# Altium PCB 400389.PcbDoc (part 5 of 8)
Units mm, origin at the board's own origin, x right, y up, seen from the top; angles counter-clockwise.
Board outline 155 x 63.5 mm, 4 copper layers (Top Layer, Mid-Layer 1, Mid-Layer 2, Bottom Layer), stack 1.508 mm thick; 434 components, 324 nets, 2167 pads, 2226 vias.
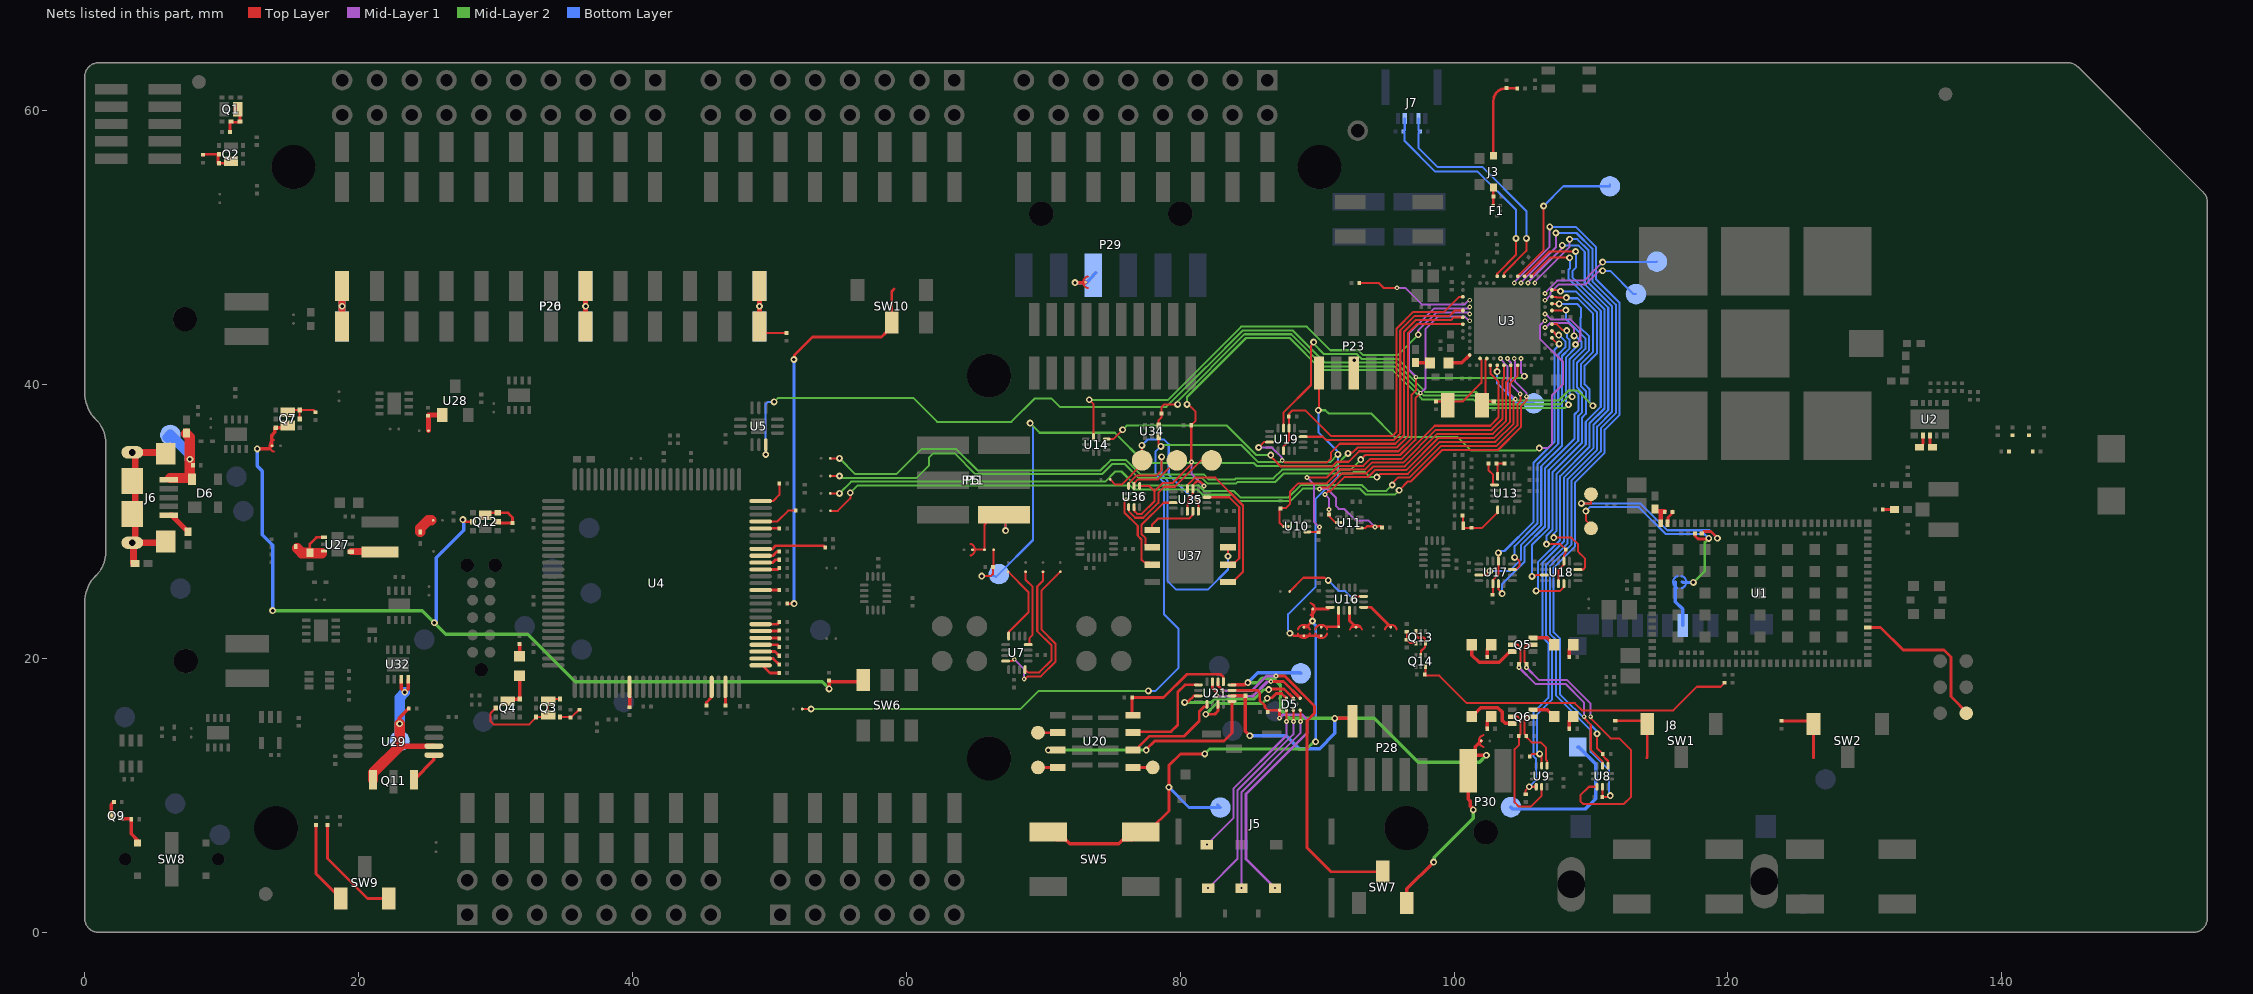
[diagram p7: the nets of this part, all layers, seen from the top]

## Via types
v1: diameter 0.5, hole 0.25, Top Layer to Bottom Layer, tented both sides, 1778 vias
v2: diameter 0.35, hole 0.15, Top Layer to Mid-Layer 1, tented both sides, 369 vias
v3: diameter 0.35, hole 0.15, Top Layer to Mid-Layer 1, tented top, 49 vias
v4: diameter 0.61, hole 0.305, Top Layer to Bottom Layer, tented both sides, 29 vias
v5: diameter 0.5, hole 0.25, Top Layer to Mid-Layer 1, tented both sides, 1 vias

## Nets (pads, with @x,y where several pads share a name; then routed paths per layer and width w, separated by ;. In a path a pad name is that pad's centre, name@x,y a point inside that pad or via, vN(x,y) a via of type N, cw(c..) or ccw(c..) an arc to the next point about the centre after c; other vN are vias at no path point) (continued)
NetC59_2: C59.2 D4.3 R62.1 U13.5 | length 3.9
  Top Layer w0.15: R62.1@100.615,30.429 100.655,30.389 D4.3@100.655,29.693 ; D4.3@100.66,29.535 C59.2@101.27,29.535 102.052,29.535 103.184,30.667 U13.5@103.184,30.855
NetC66_2: C66.2 U20.8 U21.1 | length 9.1
  Top Layer w0.203: U20.8@76.479,15.851 C66.2@76.479,17.146 ; C66.2@76.485,17.146 78.787,17.146 80.491,18.85 82.953,18.85 83.147,18.656 83.147,18.302 U21.1@83.15,18.299
NetC67_1: C67.1 D5.A4 J5.C1 U21.15 | length 22.4
  Top Layer w0.203: U21.15@83.775,17.674 85.628,17.674 85.801,17.501 85.801,16.942 86.183,16.56 86.183,16.427 86.379,16.231 86.379,16.216 87.261,16.216 87.249,16.204 v2(87.249,15.64)
  Mid-Layer 1 w0.203: v2(86.919,3.227) 84.806,5.34 84.806,10.113 89.281,14.588 89.281,15.513 88.9,15.894 87.503,15.894 v2(87.249,15.64)
NetC68_2: C68.2 P28.2 P30.1 SB41.2 SW7.1 TP33.1 U21.14 U21.16 | length 55.5
  Top Layer w0.254: U21.14@83.775,17.274 C68.2@84.76,17.274 84.76,14.681 v1(85.09,14.351) ; U21.16@83.775,18.074 84.708,18.074 84.871,18.237 v1(84.938,18.237) ; v1(91.288,15.621) 92.375,15.621 P28.2@92.583,15.413 ; SW7.1@96.55,2.15 96.553,2.153 96.553,3.182 v1(98.501,5.131) ; P30.1@101.03,11.8 101.03,12.421 101.537,12.928 101.537,13.549 101.832,13.845 SB41.2@101.988,14 ; P30.1@101.082,11.648 101.03,11.7 101.03,9.716 101.196,9.55 101.196,9.213 101.196,9.208 101.397,9.007 v1(101.397,8.941) ; P30.1@101.537,12.929 v1(102.362,12.929)
  Mid-Layer 2 w0.254: v1(84.938,18.237) 85.65,18.237 85.972,18.559 86.805,18.559 87.323,18.042 87.323,16.275 87.978,15.621 v1(91.288,15.621) 94.183,15.621 97.384,12.421 101.854,12.421 v1(102.362,12.929) ; v1(98.501,5.131) 98.541,5.171 98.541,5.475 101.397,8.331 v1(101.397,8.941)
  Bottom Layer w0.254: v1(84.938,18.237) 85.649,18.948 88.768,18.948 TP33.1@88.804,18.912 ; v1(85.09,14.351) 87.738,14.351 88.671,13.417 90.176,13.417 91.288,14.529 v1(91.288,15.621)
NetC69_2: C69.2 D6.4 FB4.1 J6.1 TP40.1 | length 7.4
  Top Layer w0.762: J6.1@6.232,33.178 7.673,33.178 v1(7.673,34.545) 7.673,36.155 FB4.1@7.404,36.425
  Bottom Layer w0.762: TP40.1@6.06,36.135 TP40.1@6.248,36.323 7.673,34.898 v1(7.673,34.545)
NetC75_2: C75.2 D10.1 U27.4 U27.6 | length 4.5
  Top Layer w0.203: C75.2@16.436,27.727 16.436,28.37 16.911,28.845 U27.4@17.478,28.845
  Top Layer w0.762: D10.1@15.513,28.061 15.847,27.727 ; C75.2@16.436,27.727 15.847,27.727 ; 17.323,27.694 15.847,27.694 15.847,27.727
NetC78_1: C78.1 SB32.1 U28.1 | length 2.2
  Top Layer w0.254: C78.1@25.093,37.711 C78.1@25.07,37.734 C78.1@25.116,37.779
  Top Layer w0.381: SB32.1@25.093,36.637 C78.1@25.093,37.711 ; C78.1@25.116,37.779 U28.1@26.101,37.779
NetC86_1: C86.1 C89.2 C90.2 L1.2
NetC87_2: C87.2 L4.2 | length 0.8
  Top Layer w0.203: C87.2@131.315,30.88 L4.2@132.155,30.88
NetCR1_2: CR1.2 F1.4 J3.1 | length 1.3
  Top Layer w0.19: F1.4@102.873,53.087 J3.1@102.873,54.391
NetD5_A1: D5.A1 J5.C2 | length 14.8
  Top Layer w0.15: v2(88.773,15.386) D5.A1@88.773,16.216
  Mid-Layer 1 w0.15: v2(84.479,3.227) 84.479,10.248 88.773,14.542 v2(88.773,15.386)
NetD5_A2: D5.A2 J5.C3 | length 15.6
  Top Layer w0.15: v2(88.265,15.386) D5.A2@88.265,16.216
  Mid-Layer 1 w0.15: v2(82.039,3.227) 84.179,5.367 84.179,10.372 88.265,14.458 v2(88.265,15.386)
NetD5_A3: D5.A3 J5.C7 | length 12.2
  Top Layer w0.15: v2(87.757,15.386) 87.761,15.39 D5.A3@87.761,16.216
  Mid-Layer 1 w0.15: v2(81.939,6.397) 83.879,8.337 83.879,10.496 87.759,14.376 v2@87.759,15.388
NetD5_C1: D5.C1 U21.3 | length 8.2
  Top Layer w0.203: U21.3@82.35,18.299 82.35,17.828 82.652,17.526 v2(82.652,17.297) ; v2(86.614,18.313) 87.539,18.313 D5.C1@88.761,17.091
  Mid-Layer 1 w0.203: v2(82.652,17.297) 82.68,17.269 82.783,17.269 82.805,17.247 85.306,17.247 86.357,18.298 v2@86.599,18.298 ; v2@86.599,18.313 v2(86.614,18.313)
NetD5_C2: D5.C2 U21.7 | length 9.9
  Top Layer w0.203: v1(80.315,16.789) 80.372,16.846 80.578,16.846 81.002,17.271 81.322,17.271 U21.7@81.325,17.274 ; v1(86.462,17.729) 86.503,17.771 87.578,17.771 88.258,17.091 D5.C2@88.261,17.091
  Mid-Layer 2 w0.203: v1(80.315,16.789) 82.264,16.789 82.506,17.031 85.408,17.031 86.095,17.718 86.411,17.718 v1@86.423,17.729 ; v1@86.423,17.749 86.442,17.749 v1(86.462,17.729)
NetD5_C3: D5.C3 U21.11 | length 8.1
  Top Layer w0.203: v1(81.864,15.926) 82.518,15.926 82.75,16.158 U21.11@82.75,16.649 ; v1(86.36,17.094) 86.397,17.131 86.702,17.131 87.013,17.443 87.409,17.443 87.756,17.096 D5.C3@87.761,17.096
  Mid-Layer 2 w0.203: v1(81.864,15.926) 82.642,16.703 85.969,16.703 v1(86.36,17.094)
NetD11_2: D11.2 SB39.2 | length 1.3
  Top Layer w0.762: D11.2@24.511,29.25 24.511,29.521 25.074,30.084 25.321,30.084
NetFB1_2: FB1.2 R1.1 U1.102 | length 1.7
  Top Layer w0.305: FB1.2@114.681,30.97 114.681,30.895 114.779,30.798 114.854,30.798 114.892,30.759 115.09,30.759 ; U1.102@115.09,29.884 115.09,30.759 ; R1.1@115.387,30.759 115.09,30.759
NetFB2_1: FB2.1 J6.5 | length 1.8
  Top Layer w0.381: J6.5@6.232,30.451 6.35,30.451 FB2.1@7.546,29.255
NetFB3_1: FB3.1 J6.6@3.468,28.451 J6.6@3.468,30.551 J6.6@3.468,32.951 J6.6@3.468,35.051 J6.6@5.918,28.551 J6.6@5.918,34.951 | length 13.1
  Top Layer w0.508: FB3.1@3.557,26.925 J6.6@3.557,28.451 ; J6.6@3.7,28.435 J6.6@3.684,28.451 ; J6.6@6.134,28.551 6.034,28.451 J6.6@3.684,28.451 ; J6.6@6.134,34.951 6.034,35.051 3.684,35.051 J6.6@3.684,28.451
NetJ8_3: J8.3 SB2.1 | length 3.4
  Bottom Layer w0.254: SB2.1@116.163,25.575 116.163,25.222 116.163,24.147 116.7,23.61 J8.3@116.7,22.42
NetJ8_10: J8.10 TP45.1 | length 10.9
  Bottom Layer w0.254: TP45.1@104.154,9.145 104.294,9.005 109.59,9.005 110.338,9.753 110.338,12.294 109.101,13.53 J8.10@109.04,13.53
NetL6_1: L6.1 U2.8 | length 0.9
  Top Layer w0.203: U2.8@134.747,36.277 134.747,35.625 L6.1@134.95,35.422
NetL6_2: L6.2 U2.7 | length 1
  Top Layer w0.203: L6.2@134,35.422 134.247,35.669 U2.7@134.247,36.277
NetL8_2: L8.2 L9.1 | length 1
  Top Layer w0.254: L8.2@97.203,41.588 L9.1@98.244,41.588
NetL9_2: L9.2 U3.B3 | length 1.8
  Top Layer w0.254: L9.2@99.594,41.588 100.571,41.588 U3.B3@101.144,42.161
NetL12_1: L12.1 U27.1 | length 2.1
  Top Layer w0.508: U27.1@19.428,27.795 21.543,27.795 L12.1@21.559,27.778
NetLED1_1: LED1.1 Q5.3 | length 4.2
  Top Layer w0.254: LED1.1@101.302,21 101.302,20.241 101.827,19.716 103.304,19.716 104.039,20.452 104.202,20.452 Q5.3@104.25,20.5
NetLED1_2: LED1.2 R73.1 | length 1
  Top Layer w0.254: R73.1@102.414,20.118 102.414,20.69 102.699,20.975 LED1.2@102.699,21
NetLED2_1: LED2.1 Q5.6 | length 1.8
  Top Layer w0.254: Q5.6@105.75,21.5 106.802,21.5 107.022,21.279 107.048,21.279 107.302,21.025 LED2.1@107.302,21
NetLED2_2: LED2.2 R74.1 | length 1
  Top Layer w0.254: R74.1@108.414,20.118 108.414,20.69 108.699,20.975 LED2.2@108.699,21
NetLED3_1: LED3.1 Q6.3 | length 4.1
  Top Layer w0.254: LED3.1@101.302,15.75 101.302,15.775 101.556,16.029 101.581,16.029 101.96,16.408 103.192,16.408 103.5,16.1 103.5,15.5 103.735,15.265 104.235,15.265 Q6.3@104.25,15.25
NetLED3_2: LED3.2 R75.1 | length 1
  Top Layer w0.254: R75.1@102.414,14.868 102.414,15.44 102.699,15.725 LED3.2@102.699,15.75
NetLED4_1: LED4.1 Q6.6 | length 1.4
  Top Layer w0.254: Q6.6@105.75,16.25 106.802,16.25 LED4.1@107.022,16.029
NetLED4_2: LED4.2 R76.1 | length 1
  Top Layer w0.254: R76.1@108.414,14.868 108.414,15.44 108.699,15.725 LED4.2@108.699,15.75
NetLED5_1: LED5.1 Q4.6 | length 2.7
  Top Layer w0.254: Q4.6@30.886,16.873 31.046,17.033 Q4.6@31.761,17.033 31.75,17.044 LED5.1@31.75,18.752
NetLED5_2: LED5.2 R18.1 | length 0.9
  Top Layer w0.254: LED5.2@31.75,20.149 R18.1@31.75,21.051
NetP5_6: P5.6 P11.6 SB26.1 SB27.2 | length 6.9
  Top Layer w0.15: SB27.2@64.854,27.941 65.003,27.941 SB26.1@65.702,27.941 65.702,29.761 66.422,30.481 P5.6@67.12,30.481 67.252,30.349 v1(67.252,29.338)
  Bottom Layer w0.15: v1(67.252,29.338) 67.252,30.011 P11.6@67.722,30.481
NetP20_1: P20.1 P26.1 | length 5.9
  Top Layer w0.508: P20.1@18.796,44.256 P20.1@18.796,47.186
  Bottom Layer w0.508: P26.1@18.796,44.256 P26.1@18.796,47.186
  other v1: 18.796,45.721
NetP20_8: P20.8 P26.8 | length 5.9
  Top Layer w0.381: P20.8@36.576,44.256 v1(36.576,45.721) P20.8@36.576,47.186
  Bottom Layer w0.381: P26.8@36.576,44.256 v1(36.576,45.721) P26.8@36.576,47.186
NetP20_13: P20.13 P26.13 R84.2 | length 8
  Top Layer w0.152: P20.13@49.276,44.256 49.276,44.204 49.71,43.77 R84.2@51.232,43.77
  Top Layer w0.381: P20.13@49.276,44.256 v1(49.276,45.721) P20.13@49.276,47.186
  Bottom Layer w0.381: P26.13@49.276,44.256 v1(49.276,45.721) P26.13@49.276,47.186
NetP29_3: P29.3 SB28.2 | length 2.6
  Top Layer w0.254: v1(72.314,47.447) 72.92,47.447 73.068,47.447 SB28.2@73.094,47.473
  Bottom Layer w0.254: v1(72.314,47.447) 73.152,47.447 73.66,47.955 P29.3@73.66,47.981 P29.3@73.838,48.158
NetQ1_5: Q1.5 Q1.6 R15.2 | length 2.4
  Top Layer w0.203: R15.2@10.597,58.446 10.597,59.073 10.677,59.152 11.327,59.152 11.327,59.922 Q1.6@11.152,60.097
NetQ2_5: Q2.5 Q2.6 R16.1 | length 2.8
  Top Layer w0.203: R16.1@8.626,56.739 8.707,56.821 9.727,56.821 Q2.6@9.727,56.171 ; Q2.6@9.732,56.171 10.502,56.171 Q2.6@10.677,56.346
NetQ3_3: Q3.3 Q3.6 Q4.2 | length 7.9
  Top Layer w0.15: Q4.2@30.011,16.383 29.641,16.013 29.641,15.393 29.845,15.189 32.461,15.189 32.965,15.693 Q3.3@32.965,15.733 33.68,15.733 Q3.3@33.84,15.893 Q3.6@33.84,16.873 34,17.033 Q3.6@34.715,17.033 ; Q3.3@33.832,15.635 Q3.3@33.992,15.795
NetQ3_4: Q3.4 R17.2 R20.2 | length 1.6
  Top Layer w0.152: Q3.4@34.715,15.733 35.562,15.733 36.091,16.262 R20.2@36.119,16.262
NetQ5_2: Q5.2 R78.2 U8.9 | length 13.3
  Top Layer w0.15: v2(104.741,19.338) R78.2@104.741,19.6 ; R78.2@104.741,19.615 104.851,19.725 104.851,20.25 ; v2@109.525,15.75 109.525,15.621 109.982,15.164 109.982,13.335 110.828,12.489 110.828,12.182 U8.9@110.842,12.168
  Top Layer w0.152: Q5.2@104.349,20.901 Q5.2@104.25,21 104.655,21 104.851,20.803 104.851,20.25
  Mid-Layer 1 w0.15: v2(104.741,19.338) 105.94,18.139 108.136,18.139 109.5,16.775 v2(109.5,15.75)
NetQ5_5: Q5.5 R77.2 U8.3 | length 22.3
  Top Layer w0.152: v2(105.289,19.335) R77.2@105.289,19.6 105.289,19.615 105.149,19.755 105.149,20.803 105.345,21 Q5.5@105.75,21 ; v2(109.975,15.75) 109.975,15.628 111.438,14.165 112.073,14.165 112.928,13.31 112.928,9.906 112.396,9.374 109.422,9.374 109.225,9.571 109.225,10.002 109.853,10.63 U8.3@110.442,10.63
  Mid-Layer 1 w0.152: v2(105.289,19.335) 106.209,18.415 108.251,18.415 109.975,16.691 v2(109.975,15.75)
NetQ6_2: Q6.2 R80.2 U9.9 | length 10.1
  Top Layer w0.152: Q6.2@104.349,15.651 Q6.2@104.25,15.75 104.655,15.75 104.851,15.553 104.851,14.486 104.73,14.365 R80.2@104.73,14.35 104.73,13.671 104.426,13.367 104.426,9.493 104.744,9.175 105.6,9.175 106.398,9.973 U9.9@106.398,10.63
NetQ6_5: Q6.5 R79.2 U9.3 | length 5.1
  Top Layer w0.152: Q6.5@105.75,15.75 105.345,15.75 105.149,15.553 105.149,14.494 105.278,14.365 R79.2@105.278,14.35 105.336,14.291 105.336,14.196 105.664,13.868 106.336,13.868 106.717,13.487 106.717,12.594 106.798,12.514 U9.3@106.798,12.168
NetQ7_3: Q7.3 Q12.2 R87.2 SB25.2 SW6.3 | length 71.2
  Top Layer w0.203: v1(27.613,30.137) 27.765,29.984 Q12.2@28.303,29.984
  Top Layer w0.254: v1(12.598,35.306) 13.442,35.306 13.522,35.386 SB25.2@13.67,35.535 13.67,35.888 13.67,36.313 13.876,36.518 13.876,36.841 Q7.3@13.946,36.841 14.646,36.841 Q7.3@14.821,37.016 ; v1(54.356,17.781) R87.2@54.356,18.385 54.452,18.289 56.712,18.289 SW6.3@56.861,18.438
  Mid-Layer 2 w0.254: v1(13.716,23.496) 24.637,23.496 v1(25.527,22.606) 26.365,21.768 32.335,21.768 35.814,18.289 53.848,18.289 v1(54.356,17.781)
  Bottom Layer w0.254: v1@12.6,35.306 12.6,34.054 12.965,33.689 12.965,29.023 13.716,28.272 v1(13.716,23.496) ; v1(25.527,22.606) 25.662,22.741 25.662,27.365 27.663,29.366 v1@27.663,30.061
NetQ7_5: Q7.5 Q7.6 R88.2 | length 2.8
  Top Layer w0.15: Q7.6@14.821,37.966 14.996,38.141 Q7.6@15.766,38.141 ; Q7.5@15.696,37.491 Q7.6@15.696,38.141 ; Q7.6@15.771,38.141 16.7,38.141 R88.2@16.853,37.988
NetQ9_1: Q9.1 R98.2 SW8.4 | length 2.5
  Top Layer w0.254: Q9.1@2.636,8.285 3.369,8.285 R98.2@3.398,8.256 3.398,7.187 SW8.4@3.85,6.735
NetQ9_3: Q9.3 R99.1 | length 1.1
  Top Layer w0.254: Q9.3@1.936,8.51 1.936,9.334 R99.1@2.128,9.526
NetQ11_1: Q11.1 U29.1 | length 2.4
  Top Layer w0.254: Q11.1@24.048,11.146 25.498,12.596 U29.1@25.498,12.943
NetQ11_3: Q11.3 R102.2 TP54.1 U29.2 U32.7 U32.8 | length 14.7
  Top Layer w0.254: v1(22.987,15.235) 22.981,15.241 22.981,15.672 R102.2@23.667,16.358 ; U32.7@23.11,18.484 23.11,17.785 v1(23.368,17.527) 23.61,17.769 U32.8@23.61,18.484
  Top Layer w0.381: 22.987,13.593 U29.2@25.498,13.593
  Top Layer w0.762: Q11.3@21.048,11.146 21.048,11.654 22.987,13.593 v1(22.987,15.235)
  Bottom Layer w0.762: TP54.1@22.987,13.965 v1(22.987,15.235) 22.987,15.997 22.987,17.146 v1(23.368,17.527)
NetQ12_5: Q12.5 Q12.6 R104.2 | length 3.7
  Top Layer w0.203: Q12.6@29.248,30.459 29.423,30.634 30.91,30.634 31.243,30.301 R104.2@31.243,29.888 30.294,29.888 Q12.5@30.198,29.984
NetQ13_3: Q13.3 Q13.6 Q14.2 | length 2.4
  Top Layer w0.15: Q13.3@97.211,21.964 97.236,21.939 97.236,21.602 97.324,21.514 97.799,21.514 97.873,21.439 97.873,21.404 97.886,21.391 97.886,21.139 Q13.6@97.911,21.114 97.886,21.089 97.886,20.85 97.873,20.837 97.873,20.829 97.586,20.542 97.586,20.262 Q14.2@97.561,20.237
NetQ13_4: Q13.4 R106.2 R107.2 | length 1.4
  Top Layer w0.15: R107.2@96.545,21.94 R106.2@96.545,21.367 96.56,21.367 96.62,21.307 96.62,21.292 96.798,21.114 Q13.4@97.211,21.114
NetR1_2: R1.2 U1.101 | length 1.1
  Top Layer w0.203: U1.101@115.542,29.806 U1.101@115.62,29.884 ; U1.101@115.59,29.884 115.632,29.925 115.632,30.288 115.923,30.579 115.923,30.726 R1.2@115.957,30.759
NetR12_1: R12.1 SW10.2 | length 29.5
  Top Layer w0.203: R12.1@51.292,24.001 v1(51.8,24.001) ; v1(51.791,41.834) 51.836,41.879 51.836,42.167 53.154,43.485 58.191,43.485 58.528,43.822 58.53,43.822 58.928,44.22 SW10.2@58.928,44.52 58.928,46.812 59.106,46.99
  Bottom Layer w0.203: v1(51.791,41.834) 51.791,24.011 v1(51.8,24.001)
NetR21_1: R21.1 U4.59 | length 1.4
  Top Layer w0.254: R21.1@39.783,16.435 U4.59@39.783,17.801
NetR24_1: R24.1 U4.71 | length 1.4
  Top Layer w0.203: R24.1@45.402,16.562 45.402,16.797 45.783,17.178 U4.71@45.783,17.801
NetR26_1: R26.1 U4.73 | length 1.2
  Top Layer w0.203: R26.1@46.783,16.562 U4.73@46.783,17.801
NetR27_1: R27.1 U4.76 | length 1.5
  Top Layer w0.203: U4.76@49.483,19.501 50.051,18.933 R27.1@50.713,18.933
NetR28_1: R28.1 U4.77 | length 1.4
  Top Layer w0.203: U4.77@49.483,20.001 50.271,20.001 R28.1@50.713,19.559
NetR29_1: R29.1 U4.78 | length 1.4
  Top Layer w0.203: U4.78@49.483,20.501 50.406,20.501 R29.1@50.713,20.194
NetR30_1: R30.1 U4.79 | length 1.3
  Top Layer w0.203: U4.79@49.483,21.001 50.57,21.001 R30.1@50.722,20.849
NetR31_1: R31.1 U4.80 | length 1.3
  Top Layer w0.203: U4.80@49.483,21.501 50.671,21.501 R31.1@50.722,21.45
NetR32_1: R32.1 U4.81 | length 1.3
  Top Layer w0.203: U4.81@49.483,22.001 50.671,22.001 R32.1@50.722,22.052
NetR33_1: R33.1 U4.82 | length 1.3
  Top Layer w0.203: U4.82@49.483,22.501 50.57,22.501 R33.1@50.722,22.653
NetR34_1: R34.1 U4.87 | length 1.2
  Top Layer w0.203: U4.87@49.483,25.001 R34.1@50.722,25.001
NetR35_1: R35.1 U4.90 | length 1.3
  Top Layer w0.203: U4.90@49.483,26.501 50.62,26.501 R35.1@50.722,26.603
NetR36_1: R36.1 U4.91 | length 1.3
  Top Layer w0.203: U4.91@49.483,27.001 50.241,27.001 50.444,27.204 R36.1@50.722,27.204
NetR37_1: R37.1 U4.92 | length 1.4
  Top Layer w0.203: U4.92@49.483,27.501 50.259,27.501 50.563,27.806 R37.1@50.722,27.806
NetR38_1: R38.1 U4.93 | length 4.7
  Top Layer w0.203: U4.93@49.483,28.001 50.219,28.001 50.451,28.233 53.945,28.233 R38.1@54.072,28.106
NetR40_1: R40.1 U4.96 | length 1.2
  Top Layer w0.203: U4.96@49.483,29.501 R40.1@50.722,29.501
NetR41_1: R41.1 U4.97 | length 2.8
  Top Layer w0.15: U4.97@49.483,30.001 50.57,30.001 51.365,30.795 R41.1@51.912,30.795
NetR43_1: R43.1 U4.100 | length 2.4
  Top Layer w0.15: U4.100@49.358,31.501 50.272,31.501 50.722,31.951 R43.1@50.722,32.771
NetR66_1: R66.1 U13.1 | length 1.7
  Top Layer w0.15: R66.1@102.514,34.234 102.514,33.757 102.854,33.417 102.854,32.785 U13.1@102.959,32.68
NetR67_1: R67.1 R68.2 U13.16 | length 1.5
  Top Layer w0.15: U13.16@103.184,33.305 103.184,34.148 R67.1@103.099,34.234 R68.2@103.683,34.234
NetR81_2: R81.2 SW1.3 | length 4.9
  Top Layer w0.203: R81.2@111.769,15.444 113.856,15.444 SW1.3@114.1,15.2 114.1,12.779 114.071,12.751
NetR82_2: R82.2 SW2.3 | length 5
  Top Layer w0.203: R82.2@123.906,15.442 126.246,15.442 SW2.3@126.246,15.2 126.246,12.754
NetR95_2: R95.2 SW9.1 | length 8.1
  Top Layer w0.203: R95.2@17.729,7.859 R95.2@17.729,7.844 17.729,5.386 20.641,2.474 SW9.1@22.192,2.474
NetR96_2: R96.2 SW9.3 | length 6.1
  Top Layer w0.203: R96.2@16.891,7.859 R96.2@16.891,7.844 16.891,4.275 SW9.3@18.692,2.474
NetSB2_2: SB2.2 TP9.1 U1.125 | length 17.3
  Top Layer w0.15: v1(109.622,30.757) 109.622,30.096 110.109,29.609 TP9.1@110,29.5
  Top Layer w0.203: U1.125@117.59,29.114 117.59,28.956 117.829,28.717 118.543,28.717 v1(118.593,28.767)
  Mid-Layer 2 w0.203: v1(117.475,25.55) 118.313,26.388 118.313,28.487 v1(118.593,28.767)
  Bottom Layer w0.15: v1(109.622,30.757) 109.915,31.05 113.494,31.05 115.456,29.087 118.272,29.087 v1(118.593,28.767)
  Bottom Layer w0.203: 116.65,25.6 116.7,25.55 116.961,25.55 v1(117.475,25.55)
NetSB11_2: SB11.2 U7.16 | length 9.4
  Top Layer w0.15: U7.16@68.672,19.184 68.875,18.981 69.704,18.981 70.596,19.873 70.596,20.96 69.559,21.997 69.559,25.252 69.977,25.67 SB11.2@69.977,26.332
NetSB12_2: SB12.2 U7.4 | length 5.7
  Top Layer w0.15: SB12.2@68.707,26.332 68.707,25.73 69.215,25.222 69.215,21.717 69.002,21.504 69.002,21.114 U7.4@68.897,21.009
NetSB13_2: SB13.2 U7.8 | length 5.9
  Top Layer w0.15: SB13.2@67.437,26.332 68.92,24.849 68.92,23.378 67.472,21.93 U7.8@67.472,21.634
NetSB14_2: SB14.2 U7.12 | length 12.8
  Top Layer w0.15: U7.12@67.247,19.809 67.755,19.809 v2(67.882,19.936) ; v2(68.605,18.491) 68.661,18.491 68.856,18.686 69.827,18.686 70.891,19.75 70.891,21.082 69.854,22.119 69.854,24.939 SB14.2@71.247,26.332
  Mid-Layer 1 w0.15: v2(67.882,19.936) 68.605,19.212 v2(68.605,18.491)
NetSB15_1: SB15.1 SB21.2 U16.1 | length 2.3
  Top Layer w0.203: SB21.2@90.297,22.283 90.425,22.411 ; 90.629,22.309 SB15.1@91.567,22.309 91.567,23.512 U16.1@91.568,23.513
NetSB16_1: SB16.1 SB22.1 SW5.2 TP32.1 U16.16 | length 40.7
  Top Layer w0.15: SW5.2@78.105,6.995 SW5.2@78.127,6.973
  Top Layer w0.203: SW5.2@77.876,7.569 79.172,8.865 v1(79.172,10.592) 79.172,12.217 79.197,12.217 80.01,13.03 v1(81.788,13.03) ; SB22.1@89.027,22.283 89.212,22.283 89.296,22.367 v1(89.662,22.733) 89.67,22.741 89.67,23.258 SB16.1@89.67,23.611 89.844,23.611 90.816,23.611 U16.16@90.943,23.738
  Top Layer w0.254: SW5.2@70.361,7.334 70.934,6.761 71.623,6.761 71.92,6.465 75.502,6.465 75.798,6.761 76.538,6.761 SW5.2@77.111,7.334
  Mid-Layer 2 w0.203: v1(81.788,13.03) 82.146,13.388 89.232,13.388 89.764,13.919 v1(89.891,13.919)
  Bottom Layer w0.203: v1(79.172,10.592) 80.653,9.111 TP32.1@82.931,9.111 TP32.1@82.72,9.322 ; v1(89.662,22.733) 89.662,22.653 89.891,22.424 v1(89.891,13.919)
NetSB18_1: SB18.1 U16.5 | length 2.6
  Top Layer w0.203: U16.5@93.393,23.738 93.922,23.738 SB18.1@95.377,22.283
NetSB19_1: SB19.1 U16.3 | length 1.9
  Top Layer w0.203: U16.3@92.368,23.513 92.368,22.752 SB19.1@92.794,22.327 ; 92.591,22.327 SB19.1@92.794,22.327 ; SB19.1@92.837,22.283 SB19.1@92.794,22.327 ; 93.116,22.327 SB19.1@92.794,22.327
NetSB20_1: SB20.1 U16.7 | length 6.6
  Top Layer w0.15: SB20.1@87.993,24.892 88.994,25.892 90.542,25.892 90.73,25.705 v1(90.805,25.705) ; v1(92.659,24.308) 92.89,24.538 U16.7@93.393,24.538
  Bottom Layer w0.15: v1(90.805,25.705) 91.592,24.917 92.05,24.917 v1(92.659,24.308)
NetSB23_2: SB23.2 TP57.1 U35.12 | length 12.7
  Top Layer w0.152: SB23.2@74.885,33.076 75.266,32.695 75.719,32.695 77.197,34.174 v1(77.197,35.563) ; v1(81.236,31.703) 81.321,31.618 U35.12@81.321,30.747
  Bottom Layer w0.152: v1(77.197,35.563) 77.613,35.978 78.825,35.978 79.159,35.644 79.159,33.424 80.881,31.703 v1(81.236,31.703)
NetSW7_2: SW7.2 U21.2 | length 25.7
  Top Layer w0.203: U21.2@82.75,18.299 82.753,18.296 82.753,18.005 v2(83.109,17.649) ; v2(87,18.715) 87.634,18.715 89.814,16.535 89.814,16.002 89.256,15.443 89.256,6.172 91.008,4.42 SW7.2@94.742,4.42
  Mid-Layer 1 w0.203: v2(83.109,17.649) 85.243,17.649 86.309,18.715 v2(87,18.715)
NetTP4_1: TP4.1 U1.57 | length 11.6
  Top Layer w0.203: U1.57@130.21,22.264 131.146,22.264 132.803,20.608 135.774,20.608 136.28,20.101 136.28,17.22 TP4.1@137.5,16
NetTP8_1: TP8.1 U1.124 | length 13.8
  Top Layer w0.15: v1(109.301,31.325) 109.961,31.325 110,31.285 TP8.1@110,32
  Top Layer w0.203: U1.124@118.09,29.114 118.24,29.263 118.77,29.263 119.228,28.806 v1(119.228,28.778)
  Mid-Layer 2 w0.15: v1@119.228,28.765 v1(119.228,28.778)
  Bottom Layer w0.15: v1(109.301,31.325) 113.608,31.325 115.57,29.362 118.643,29.362 v1(119.228,28.778)
NetTP34_1: TP34.1 U20.2 | length 1.5
  Top Layer w0.203: TP34.1@69.613,14.581 U20.2@71.129,14.581
NetTP35_1: TP35.1 U20.4 | length 1.5
  Top Layer w0.203: TP35.1@69.613,12.041 U20.4@71.129,12.041
NetTP36_1: TP36.1 U20.5 | length 1.5
  Top Layer w0.203: U20.5@76.479,12.041 TP36.1@77.995,12.041
NetTP55_1: TP55.1 U36.3 | length 8.6
  Top Layer w0.152: U36.3@76.232,31.057 76.246,31.043 76.246,30.739 76.708,30.277 77.306,30.277 78.401,31.372 78.401,32.097 78.842,32.537 79.606,32.537 81.536,34.468 TP55.1@82.149,34.468
NetTP56_1: TP56.1 U36.9 | length 4
  Top Layer w0.15: U36.9@76.632,32.595 76.632,32.784 76.669,32.822 76.669,32.844 76.902,33.077 78.365,33.077 TP56.1@79.756,34.468
NetU20_3: U20.3 U21.13 | length 17
  Top Layer w0.203: v1(70.367,13.311) U20.3@71.054,13.311 U20.3@71.129,13.311 ; v1@77.47,13.311 78.14,13.98 83.194,13.98 83.775,14.561 U21.13@83.775,16.874
  Mid-Layer 2 w0.203: v1(70.367,13.311) v1@77.47,13.311
  other v1: 77.521,13.311
NetU20_6: U20.6 U21.9 | length 7.1
  Top Layer w0.203: U20.6@76.737,13.311 77.752,14.326 80.292,14.326 81.388,15.421 81.388,16.135 81.728,16.475 81.942,16.475 81.95,16.483 U21.9@81.95,16.649
NetU20_7: U20.7 U21.5 | length 7.7
  Top Layer w0.203: U20.7@76.479,14.581 U20.7@76.554,14.581 76.628,14.654 79.327,14.654 79.818,15.145 79.818,17.551 80.341,18.074 U21.5@81.325,18.074
NetU35_3: U35.3 U37.5 | length 11.6
  Top Layer w0.152: U35.3@80.521,32.397 80.521,32.652 81.069,33.201 82.557,33.201 84.588,31.17 84.588,26.32 83.994,25.727 83.64,25.727 U37.5@83.491,25.578
NetU35_7: U35.7 U37.2 | length 5.2
  Top Layer w0.152: U37.2@77.951,28.118 77.601,28.118 77.452,28.267 77.452,28.802 77.175,29.079 77.175,29.753 78.794,31.372 U35.7@79.496,31.372
NetU35_11: U35.11 U37.1 | length 3.9
  Top Layer w0.152: U37.1@77.951,29.388 77.951,29.778 78.394,30.221 80.65,30.221 80.887,30.458 80.887,30.48 80.921,30.514 U35.11@80.921,30.747
NetU35_15: U35.15 U37.6 | length 7.4
  Top Layer w0.152: U35.15@81.946,31.772 83.593,31.772 84.311,31.055 84.311,27.317 83.99,26.997 83.64,26.997 U37.6@83.491,26.848
NetU36_2: U36.2 U37.3 | length 6
  Top Layer w0.152: U36.2@76.063,31.626 75.952,31.626 75.918,31.593 75.918,30.66 76.897,29.681 76.897,28.965 77.175,28.687 77.175,27.219 77.397,26.997 77.802,26.997 U37.3@77.951,26.848
NetU36_10: U36.10 U37.7 | length 20.1
  Top Layer w0.15: U36.10@76.232,32.595 76.232,32.806 76.777,33.352 78.251,33.352 78.638,33.739 v1(78.638,34.722) ; v1(83.491,27.459) U37.7@83.491,28.118
  Bottom Layer w0.15: v1(78.638,34.722) 78.638,33.425 79.083,32.98 79.083,25.641 79.68,25.044 82.042,25.044 83.491,26.493 v1(83.491,27.459)
nRESET: Q14.6 R2.1 R108.2 | length 24.4
  Top Layer w0.15: Q14.6@97.911,19.387 97.911,18.901 97.846,18.836 R108.2@97.846,18.821 97.846,18.806 97.906,18.746 97.988,18.746 97.994,18.74 98.921,18.74 100.923,16.739 108.811,16.739 109.34,16.21 116.007,16.21 117.729,17.932 119.462,17.932 R2.1@119.761,18.232
nRF52_ANT: C31.1 J3.3 L11.1 | length 6.3
  Top Layer w0.19: J3.3@102.873,56.711 102.873,60.74 cw(c103.761,60.74) 103.125,61.36 cw(c103.761,60.74) 103.761,61.629 L11.1@104.615,61.629
nRF52_P0.00/XL1: C25.2 U3.D2 X2.1 | length 5.7
  Top Layer w0.145: C25.2@98.679,38.766 100.64,38.766 101.999,40.125 101.999,41.806 U3.D2@101.894,41.911
nRF52_P0.01/XL2: C28.1 U3.F2 X2.2 | length 3.8
  Top Layer w0.145: U3.F2@102.394,41.911 102.289,41.806 102.289,38.733 102.322,38.766 C28.1@102.895,38.766
nRF52_P0.02/AIN0: R86.1 SB26.2 TP41.1 U3.A12 | length 57.8
  Top Layer w0.15: v1(65.507,26.01) 66.167,26.01 66.325,26.168 R86.1@66.325,26.67 66.378,26.723 SB26.2@66.378,27.941 ; v1(92.253,34.976) 92.304,35.027 92.574,35.027 92.954,35.407 95.825,35.407 96.62,36.201 96.62,43.737 97.294,44.411 U3.A12@100.644,44.411
  Mid-Layer 2 w0.15: v1(69.037,37.186) 69.739,36.483 75.216,36.483 77.428,34.272 85.363,34.272 85.568,34.067 91.344,34.067 v1(92.253,34.976)
  Bottom Layer w0.15: v1(65.507,26.01) 66.453,26.01 66.529,25.933 TP41.1@66.759,26.163 69.248,28.652 69.248,36.975 v1(69.037,37.186)
nRF52_P0.03/AIN1: SB6.1 U3.B13 | length 58.8
  Top Layer w0.15: SB6.1@54.445,34.615 v1(55.117,34.615) ; v1(93.179,34.519) 93.517,34.857 96.053,34.857 97.17,35.973 97.17,39.004 v2(97.536,39.37)
  Mid-Layer 1 w0.15: v2(97.536,39.37) 97.917,39.752 97.917,44.07 98.808,44.961 100.784,44.961 100.984,44.761 100.99,44.761 101.09,44.661 v3(101.144,44.661)
  Mid-Layer 2 w0.15: v1(55.117,34.615) 56.271,33.461 59.267,33.461 61.09,35.284 63.649,35.284 65.197,33.736 74.176,33.736 74.918,34.478 76.055,34.478 77.086,33.447 81.709,33.447 82.099,33.057 83.96,33.057 84.057,33.153 86.804,33.153 87.442,33.792 92.452,33.792 v1(93.179,34.519)
nRF52_P0.04/AIN2: TP10.1 U3.J1 | length 4.6
  Top Layer w0.15: v1(103.144,40.945) U3.J1@103.144,41.411
  Bottom Layer w0.15: v1(103.144,40.945) 103.144,40.087 104.594,38.637 TP10.1@105.819,38.637
nRF52_P0.05/AIN3: SB5.1 U3.K2 | length 59.9
  Top Layer w0.15: SB5.1@54.445,33.324 v1(55.117,33.324) ; v1(94.361,33.249) 94.391,33.249 94.624,33.482 96.623,33.482 98.956,35.815 103.016,35.815 104.345,37.145 104.345,38.759 104.47,38.884 v2(104.47,38.938)
  Mid-Layer 1 w0.15: v3(103.394,41.911) 103.394,41.845 103.886,41.353 103.886,39.522 v2(104.47,38.938)
  Mid-Layer 2 w0.15: v1(55.117,33.324) 55.255,33.186 60.745,33.186 61.646,34.087 61.646,34.646 61.976,34.976 63.525,34.976 65.041,33.461 74.29,33.461 75.032,34.203 75.941,34.203 76.972,33.172 81.595,33.172 81.985,32.782 84.074,32.782 84.17,32.878 86.918,32.878 87.546,33.507 92.556,33.507 92.653,33.604 93.497,33.604 93.853,33.249 v1(94.361,33.249)
nRF52_P0.06: R50.2 U3.L1 U10.4 | length 25.1
  Top Layer w0.15: U10.4@87.75,29.642 87.511,29.642 87.249,29.904 87.249,30.854 87.351,30.957 R50.2@87.325,30.957 87.345,30.977 87.695,30.977 88.024,31.306 88.024,32.195 88.621,32.791 90.704,32.791 91.704,33.791 93.483,33.791 93.998,34.307 96.281,34.307 98.674,36.7 102.734,36.7 103.52,37.486 103.52,40.296 103.644,40.419 U3.L1@103.644,41.411
nRF52_P0.07: SB4.1 U3.M2 | length 59.6
  Top Layer w0.15: SB4.1@54.445,32.054 v1(55.117,32.054) ; v1(95.479,32.664) 95.479,32.759 95.601,32.881 95.601,32.914 95.894,33.207 96.737,33.207 99.05,35.52 103.11,35.52 104.62,37.031 104.62,38.558 104.845,38.783 104.845,39.3 v2(104.826,39.319)
  Mid-Layer 1 w0.15: v3(103.894,41.911) 103.894,41.845 104.161,41.578 104.161,39.984 v2@104.788,39.357
  Mid-Layer 2 w0.15: v1(55.117,32.054) 55.974,32.911 74.517,32.911 75.26,33.653 75.713,33.653 76.744,32.622 76.825,32.622 81.367,32.622 81.757,32.232 83.917,32.232 84.387,31.762 87.908,31.762 88.829,32.682 93.24,32.682 93.682,32.24 95.054,32.24 v1(95.479,32.664)
nRF52_P0.08: R53.2 U3.N1 U11.8 | length 27.2
  Top Layer w0.15: v2(90.17,32.385) 90.281,32.496 90.826,32.496 91.846,33.516 93.597,33.516 94.112,34.032 96.395,34.032 98.768,36.405 102.828,36.405 103.795,37.373 103.795,40.176 104.144,40.525 U3.N1@104.144,41.411 ; U11.8@93.123,29.521 93.504,29.521 93.639,29.656 94.646,29.656 R53.2@94.736,29.566
  Mid-Layer 1 w0.15: v2(90.17,32.385) 90.177,32.378 90.738,32.378 91.364,31.752 91.364,31.143 91.475,31.032 91.589,30.918 91.983,30.918 92.816,30.085 93.74,30.085 v2(94.234,29.591)
nRF52_P0.09/NFC1: C72.2 J7.4 U3.L24 | length 17.5
  Top Layer w0.15: U3.L24@103.644,47.911 103.644,48.126 105.283,49.765 v1(105.283,50.674)
  Bottom Layer w0.15: J7.4@97.396,59.423 97.396,58.581 C72.2@97.505,58.472 97.409,58.376 97.409,57.27 98.773,55.905 102.057,55.905 105.283,52.68 v1(105.283,50.674)
nRF52_P0.10/NFC2: C71.1 J7.2 U3.J24 | length 17.3
  Top Layer w0.15: U3.J24@103.144,47.911 103.144,48.105 104.521,49.482 v1(104.521,50.674)
  Bottom Layer w0.15: J7.2@96.396,59.423 96.396,58.571 C71.1@96.297,58.472 96.393,58.376 96.393,57.786 98.627,55.552 101.725,55.552 104.521,52.756 v1(104.521,50.674)
nRF52_P0.11: U3.T2 U19.3 | length 25.2
  Top Layer w0.15: U19.3@87.55,36.816 87.55,37.967 89.553,39.971 89.553,42.841 89.738,43.026 v1(89.738,43.104)
  Mid-Layer 1 w0.15: v3(104.894,41.911) 104.894,40.851 v1(105.131,40.615)
  Mid-Layer 2 w0.15: v1(89.738,43.104) 89.738,42.977 90.482,42.233 92.896,42.233 93.16,41.969 93.211,41.919 93.254,41.875 95.873,41.875 97.254,40.495 104.916,40.495 105.036,40.615 v1(105.131,40.615)
nRF52_P0.13: R70.2 U3.AD8 U17.2 U17.10 | length 21.5
  Top Layer w0.15: R70.2@102.819,24.644 102.833,24.658 U17.2@102.833,25.46 102.833,25.694 102.868,25.729 102.868,25.749 103.233,26.114 U17.10@103.233,27.11 v1(103.233,27.711) v1@103.233,27.864 ; U3.AD8@107.168,43.387 U3.AD8@107.144,43.411 107.144,43.388 107.671,42.862 v1@107.671,42.824
  Bottom Layer w0.15: v1(103.233,27.711) 103.372,27.85 103.683,27.85 105.815,29.982 105.815,34.313 107.332,35.83 107.332,42.55 107.671,42.889 v1(107.671,42.977)
nRF52_P0.15: U3.AD10 U17.7 | length 19.9
  Top Layer w0.15: U17.7@104.258,26.485 104.492,26.485 104.527,26.52 104.547,26.52 104.783,26.757 104.783,27.093 104.495,27.381 v1(104.424,27.381) ; U3.AD10@107.144,43.911 107.194,43.911 v1@107.518,43.586
  Bottom Layer w0.15: v1(104.424,27.381) 104.424,28.202 106.09,29.868 106.09,34.171 107.607,35.688 107.607,42.201 108.128,42.722 108.128,43.156 107.672,43.612 v1(107.645,43.612)
nRF52_P0.16: R7.2 U3.AC11 U34.1 | length 44.4
  Top Layer w0.15: U34.1@78.427,36.956 78.427,37.406 78.631,37.61 R7.2@78.631,37.897 ; R7.2@78.633,37.897 78.633,38.348 78.842,38.557 v1(79.807,38.557) v1@79.807,38.462
  Mid-Layer 1 w0.15: v3(106.644,44.161) 106.674,44.161 107.003,44.49 108.367,44.49 108.763,44.094 v1(108.763,43.561)
  Mid-Layer 2 w0.15: v1(79.807,38.557) 79.807,38.795 84.688,43.676 88.108,43.676 90.459,41.325 95.645,41.325 97.78,39.191 101.512,39.191 102.137,38.566 107.754,38.566 108.304,39.116 v1(108.623,39.116)
  Bottom Layer w0.15: v1(108.623,39.116) 108.623,39.187 108.432,39.379 108.432,41.857 109.314,42.74 109.314,43.112 109,43.427 108.992,43.427 108.858,43.561 v1(108.763,43.561)
nRF52_P0.17: U3.AD12 U17.15 | length 23.1
  Top Layer w0.15: U17.15@101.808,26.085 102.311,26.085 v1(102.616,26.391) ; U3.AD12@107.144,44.411 107.499,44.411 107.913,43.997 108.174,43.997 v1(108.229,43.942)
  Bottom Layer w0.15: v1(102.616,26.391) 104.07,26.391 104.874,27.194 104.874,28.258 106.365,29.749 106.365,34.028 107.882,35.545 107.882,42.087 108.414,42.62 108.414,43.273 108.229,43.458 v1(108.229,43.942)
nRF52_P0.18/RESET: P23.10 SB10.1 SB21.1 SB22.2 U3.AC13 U34.6 | length 112.1
  Top Layer w0.15: SB10.1@52.408,16.308 v1(53.043,16.308) ; U34.6@78.427,36.201 78.427,35.644 v1(78.588,35.484) ; v1(88.011,21.844) 88.088,21.844 88.274,21.659 88.674,21.659 SB22.2@89.027,21.659 89.38,21.659 89.944,21.659 SB21.1@90.297,21.659 ; v1(90.094,38.125) 90.135,38.166 P23.10@90.135,40.85
  Mid-Layer 1 w0.15: v1(106.223,35.363) 106.832,35.363 107.163,35.694 107.163,39.238 107.955,40.03 107.955,41.654 106.269,43.34 106.269,44.316 106.614,44.661 v3(106.644,44.661)
  Mid-Layer 2 w0.15: v1@53.061,16.3 68.326,16.3 69.653,17.628 v1(77.673,17.628) ; v1(78.588,35.484) 78.689,35.585 84.444,35.585 85.688,34.342 90.958,34.342 v1(91.516,34.9) ; v1(90.094,38.125) 90.605,38.125 90.829,37.901 93.933,37.901 95.668,36.166 100.259,36.166 101.243,35.181 105.96,35.181 106.142,35.363 v1(106.223,35.363)
  Bottom Layer w0.15: v1(77.673,17.628) 78.2,17.628 79.868,19.296 79.868,22.189 78.808,23.249 78.808,32.866 78.188,33.486 78.188,35.085 v1(78.588,35.484) ; v1(88.011,21.844) 88.011,21.939 87.884,22.066 87.884,23.24 89.892,25.248 89.892,31.65 91.516,33.274 v1(91.516,34.9) ; v1(90.094,38.125) 90.094,36.525 91.449,35.17
nRF52_P0.19: R5.2 U3.AC15 U35.2 U35.10 U36.4 U36.8 | length 59.3
  Top Layer w0.15: v1(80.493,38.557) 80.587,38.557 81.128,38.017 81.128,37.678
  Top Layer w0.152: U36.4@76.632,31.057 76.646,31.043 76.646,30.771 76.862,30.554 77.191,30.554 78.124,31.487 78.124,32.212 ; U36.8@77.032,32.595 77.741,32.595 78.124,32.212 ; U35.10@80.521,30.747 80.521,31.27 80.614,31.363 80.614,31.728 80.921,32.035 U35.2@80.921,32.397 80.921,32.63 80.955,32.664 80.955,32.686 81.192,32.923 81.45,32.923 81.737,32.636 v2(81.737,32.588) ; 81.128,37.678 81.128,37.358 80.877,37.107 80.862,37.107 80.803,37.048 R5.2@80.803,37.033 80.803,34.17 79.448,32.815 78.727,32.815 78.124,32.212
  Mid-Layer 1 w0.15: v1(108.864,42.926) 109.214,43.276
  Mid-Layer 1 w0.152: v2(80.815,34.355) 80.815,33.51 v2(81.737,32.588) ; v3(106.644,45.161) 106.676,45.161 107.071,44.766 108.482,44.766 109.214,44.034 109.214,43.276
  Mid-Layer 2 w0.15: v1(80.493,38.557) 80.493,39.092 84.802,43.401 87.994,43.401 90.345,41.05 95.531,41.05 97.666,38.916 101.398,38.916 102.023,38.291 108.094,38.291 108.335,38.532 v1(108.356,38.532)
  Bottom Layer w0.15: v1(108.356,38.532) 108.356,38.595 108.157,38.795 108.157,41.973 108.864,42.681 v1(108.864,42.926)
nRF52_P0.20: U3.AD16 U17.3 | length 25.8
  Top Layer w0.15: U17.3@103.233,25.46 103.233,25.062 v1@103.391,24.905 ; U3.AD16@107.144,45.411 108.135,45.411 v1(108.16,45.436)
  Bottom Layer w0.15: v1(103.505,24.74) 103.505,25.437 105.149,27.08 105.149,28.145 106.64,29.635 106.64,33.886 108.792,36.038 108.792,37.814 109.075,38.098 109.075,39.302 108.707,39.671 108.707,41.727 109.589,42.61 109.589,43.371 108.16,44.8 v1(108.16,45.436)
nRF52_P0.22: U3.AD18 U18.15 | length 25.1
  Top Layer w0.15: v1(105.691,25.989) 105.896,25.989 105.993,26.085 U18.15@106.592,26.085 ; U3.AD18@107.144,45.911 107.157,45.898 v1(107.671,45.898)
  Bottom Layer w0.15: v1(105.691,25.989) 105.691,28.298 106.915,29.521 106.915,33.744 109.067,35.896 109.067,37.701 109.35,37.984 109.35,39.416 108.982,39.785 108.982,41.613 109.864,42.496 109.864,43.525 109.227,44.162 109.227,44.866 109.264,44.902 109.264,45.606 108.983,45.886 107.682,45.886 v1(107.671,45.898)
nRF52_P0.23: TP12.1 U3.AC19 | length 8.3
  Mid-Layer 1 w0.15: v3(106.644,46.161) 106.674,46.161 107.025,46.512 107.025,46.707 107.639,47.32 109.609,47.32 110.537,48.248 110.783,48.248 v1(110.846,48.311)
  Bottom Layer w0.15: v1(110.846,48.311) 111.399,48.311 113.1,46.61 TP12.1@113.284,46.61
nRF52_P0.24: R71.2 U3.AD20 U18.2 U18.10 | length 26.2
  Top Layer w0.15: v1(106.747,28.346) 107.767,28.346 R71.2@108.148,27.965 108.148,27.68 108.017,27.55 U18.10@108.017,27.11 108.017,26.857 107.617,26.457 U18.2@107.617,25.46 ; U3.AD20@107.144,46.411 107.445,46.411 107.494,46.362 v1@108.07,46.362
  Bottom Layer w0.15: v1(106.747,28.346) 106.747,28.965 107.19,29.408 107.19,33.602 109.342,35.754 109.342,37.587 109.625,37.87 109.625,39.53 109.257,39.898 109.257,41.489 110.16,42.393 110.16,45.161 109.017,46.304 v1@108.204,46.304
  other v1: 108.204,46.355
nRF52_P0.25: TP13.1 U3.AC21 | length 9.2
  Mid-Layer 1 w0.15: v3(106.644,46.661) 106.644,46.714 107.525,47.595 109.495,47.595 110.396,48.496 110.396,48.497 v1(110.846,48.946) v1(110.846,48.946)
  Bottom Layer w0.15: v1(110.846,48.946) 114.775,48.946 TP13.1@114.808,48.979
nRF52_P0.26: R51.2 U3.G1 U10.8 | length 25.2
  Top Layer w0.15: v2(89.256,33.223) 90.718,33.223 91.561,34.066 93.369,34.066 93.884,34.582 96.167,34.582 98.581,36.995 102.64,36.995 103.245,37.6 103.245,40.208 102.959,40.495 102.958,40.495 102.644,40.808 U3.G1@102.644,41.411 ; U10.8@89.288,29.242 90.068,29.242 90.094,29.268 R51.2@90.094,29.216 90.17,29.292 v2(90.17,29.591)
  Mid-Layer 1 w0.15: v2(89.256,33.223) 89.756,32.723 89.756,29.98 90.145,29.591 v2(90.17,29.591)
nRF52_P1.00: P23.6 U3.AD22 U5.9 | length 82.6
  Top Layer w0.15: U3.AD22@107.144,46.911 107.724,46.911 v1@107.823,46.812
  Mid-Layer 2 w0.15: v1(50.343,38.735) 50.64,39.033 60.5,39.033 62.257,37.277 67.67,37.277 69.392,38.998 70.593,38.998 71.212,38.379 78.993,38.379 81.884,41.271 81.894,41.271 84.574,43.951 88.222,43.951 90.573,41.6 95.759,41.6 97.891,39.468 101.623,39.468 102.251,38.841 107.64,38.841 108.365,39.566 109.024,39.566 v1(110.134,38.456)
  Bottom Layer w0.15: v1(49.728,34.896) 49.728,38.577 49.886,38.735 v1(50.343,38.735) ; v1(107.772,46.812) 108.898,46.812 110.435,45.275 110.435,42.279 109.532,41.375 109.532,40.012 109.9,39.644 109.9,38.718 110.134,38.484 v1(110.134,38.456)
  other v1: 92.71,41.783
nRF52_P1.01: R48.2 U3.Y23 U9.4 | length 47.9
  Top Layer w0.15: R48.2@105.517,12.827 105.72,13.03 v1(106.248,13.03) 106.398,12.881 U9.4@106.398,12.168
  Mid-Layer 1 w0.15: v3(105.894,47.411) 105.894,47.51 108.436,50.053 v1(108.436,50.619)
  Bottom Layer w0.15: v1(106.248,13.03) 106.062,13.216 106.062,15.917 107.163,17.018 107.163,21.243 106.721,21.685 106.721,26.855 108.29,28.424 108.29,33.09 110.442,35.242 110.442,36.936 111.535,38.029 111.535,45.731 109.818,47.448 109.818,49.805 109.004,50.619 v1(108.436,50.619)
nRF52_P1.02: U3.W24 U18.7 | length 30.7
  Top Layer w0.15: U3.W24@105.644,47.911 105.785,48.052 105.785,48.06 106.995,49.269 v1(108.44,49.269) ; v1(107.275,28.829) 108.557,28.829 109.053,28.333 109.053,27.807 109.211,27.648 109.568,27.291 109.568,26.65 109.417,26.499 109.056,26.499 U18.7@109.042,26.485
  Bottom Layer w0.15: v1(107.275,28.829) 107.275,29.104 107.465,29.294 107.465,33.46 109.617,35.612 109.617,37.277 110.71,38.371 110.71,45.389 108.368,47.731 108.368,48.403 108.451,48.486 108.451,49.258 v1(108.44,49.269)
nRF52_P1.03: R49.2 U3.V23 U9.8 | length 49.5
  Top Layer w0.15: R49.2@105.207,10.039 105.207,10.347 v1(105.49,10.63) U9.8@105.998,10.63
  Mid-Layer 1 w0.15: v3(105.394,47.411) 105.394,47.477 107.896,49.978 v1(107.896,50.169)
  Bottom Layer w0.15: v1(105.49,10.63) 105.987,11.127 105.987,12.655 105.787,12.855 105.787,16.031 106.888,17.132 106.888,21.129 106.446,21.571 106.446,26.969 108.015,28.538 108.015,33.204 110.167,35.356 110.167,37.05 111.26,38.143 111.26,45.617 109.543,47.334 109.543,49.691 109.065,50.169 v1(107.896,50.169)
nRF52_P1.04: U3.U24 U18.3 | length 34.8
  Top Layer w0.15: U3.U24@105.144,47.911 105.285,48.052 105.285,48.06 106.945,49.719 v1(108.879,49.719) ; v1@105.99,24.935 107.746,24.935 108.017,25.207 U18.3@108.017,25.46
  Bottom Layer w0.15: v1@105.99,24.935 106.141,25.087 106.141,27.054 107.74,28.652 107.74,33.317 109.892,35.469 109.892,37.163 110.985,38.257 110.985,45.503 108.643,47.845 108.643,48.289 108.89,48.536 108.89,49.708 v1(108.879,49.719)
  other v1: 105.99,24.931
nRF52_P1.05: R46.2 U3.T23 U8.4 | length 53.5
  Top Layer w0.15: R46.2@110.826,9.881 v1@111.404,9.881 ; R46.2@110.842,10.022 U8.4@110.842,10.63
  Mid-Layer 1 w0.15: v3(104.894,47.411) 104.894,47.477 107.431,50.014 v1(107.431,51.069)
  Bottom Layer w0.15: v1(107.431,51.069) 108.943,51.069 110.093,49.919 110.093,47.561 111.81,45.845 111.81,37.915 110.717,36.822 110.717,35.128 108.565,32.976 108.565,28.31 106.996,26.741 106.996,21.798 107.446,21.348 107.446,17.285 109.676,15.055 109.686,15.055 109.982,14.759 109.982,13.183 111.3,11.865 111.3,10.143 111.337,10.106 v1@111.337,9.948
  other v1: 111.404,9.981
nRF52_P1.06: TP11.1 U3.R24 | length 11.4
  Top Layer w0.15: U3.R24@104.644,47.911 104.785,48.052 104.785,48.06 106.535,49.809 v1(106.535,53.042)
  Bottom Layer w0.15: v1(106.535,53.042) 107.975,54.483 TP11.1@111.379,54.484 TP11.1@111.379,54.484
nRF52_P1.07: R47.2 U3.P23 U8.8 | length 51.4
  Top Layer w0.15: v1(110.439,14.503) 110.439,13.456 R47.2@110.865,13.03 110.865,12.883 111.238,12.511 111.238,12.172 U8.8@111.242,12.168
  Mid-Layer 1 w0.15: v3(104.394,47.411) 104.394,47.477 106.981,50.064 106.981,51.515 v1(106.985,51.519)
  Bottom Layer w0.15: v1(106.985,51.519) 108.882,51.519 110.368,50.033 110.368,47.675 112.085,45.959 112.085,37.801 110.992,36.708 110.992,35.014 108.84,32.862 108.84,28.196 107.271,26.627 107.271,21.912 107.721,21.462 107.721,17.399 109.79,15.33 109.8,15.33 110.439,14.691 v1(110.439,14.503)
nRF52_P1.08: SB3.1 U3.P2 | length 60.1
  Top Layer w0.15: SB3.1@54.445,30.784 54.99,30.784 55.905,31.699 v1(55.905,32.106) ; v1(95.987,32.283) 96.635,32.932 96.85,32.932 99.144,35.225 103.204,35.225 104.895,36.917 104.895,38.444 105.283,38.832 v2(105.283,39.116)
  Mid-Layer 1 w0.15: v3(104.394,41.911) 104.394,41.845 104.406,41.845 104.432,41.819 104.432,41.807 104.436,41.803 104.436,40.239 105.283,39.392 v2(105.283,39.116)
  Mid-Layer 2 w0.15: v1(55.905,32.106) 56.435,32.636 76.317,32.636 76.606,32.347 81.253,32.347 81.643,31.957 83.803,31.957 84.273,31.487 88.022,31.487 88.942,32.407 93.126,32.407 93.568,31.965 95.668,31.965 v1(95.987,32.283)
nRF52_P1.09: R52.2 U3.R1 U11.4 | length 22.7
  Top Layer w0.15: v2(90.572,31.978) 90.796,32.201 90.948,32.201 91.988,33.241 93.711,33.241 94.226,33.757 96.509,33.757 98.862,36.11 102.922,36.11 104.07,37.259 104.07,40.062 104.644,40.636 U3.R1@104.644,41.411 ; v2(90.856,30.886) 90.856,30.412 U11.4@91.346,29.921 ; U11.4@91.372,29.921 U11.4@91.585,29.921 U11.4@91.611,29.921
  Mid-Layer 1 w0.15: v2(90.572,31.978) 90.856,31.695 v2(90.856,30.886)
nRF52_P1.10: R72.2 U3.A20 U19.2 U19.10 | length 25.1
  Top Layer w0.15: U19.10@87.55,35.166 87.55,35.503 87.95,35.903 U19.2@87.95,36.816 87.939,36.827 87.939,37.658 87.95,37.668 87.95,37.888 88.162,38.1 89.154,38.1 91.022,36.232 95.484,36.232 95.795,36.543 95.795,44.08 97.024,45.31 99.27,45.31 100.371,46.411 U3.A20@100.644,46.411
nRF52_P1.11: R11.1 U3.B19 | length 8.8
  Top Layer w0.15: R11.1@93.071,47.422 94.488,47.422 94.844,47.066 v2(95.834,47.066)
  Mid-Layer 1 w0.15: v2(95.834,47.066) 96.418,47.066 97.624,45.861 100.778,45.861 101.078,46.161 v3(101.144,46.161)
nRF52_P1.12: U3.B17 U14.10 | length 37.6
  Top Layer w0.15: U14.10@74.639,36.021 75.111,36.021 v1(75.794,36.703) ; 86.749,34.612 87.359,34.002 91.08,34.002 91.444,34.366 92.302,34.366 93.068,35.132 95.939,35.132 96.895,36.087 96.895,39.259 97.206,39.57 v2(97.206,40.538)
  Mid-Layer 1 w0.15: v2(97.206,40.538) 97.206,40.593 96.698,41.101 96.698,43.699 98.56,45.561 v3@101.044,45.561
  Mid-Layer 2 w0.15: v1(75.794,36.703) 76.095,37.004 83.416,37.004 85.571,34.849 v1(86.614,34.849)
  other v3: 101.144,45.661
nRF52_P1.13: U3.A16 U19.15 | length 20.1
  Top Layer w0.15: U19.15@88.975,36.191 90.42,36.191 90.654,35.957 95.597,35.957 96.07,36.429 96.07,43.965 97.12,45.015 99.668,45.015 100.065,45.411 U3.A16@100.644,45.411
nRF52_P1.14: U3.B15 U14.2 | length 35.1
  Top Layer w0.15: v1(73.355,38.887) 73.67,38.573 U14.2@73.67,36.19
  Mid-Layer 1 w0.15: v1(97.384,43.637) 97.384,43.961 98.684,45.261 v3@101.044,45.261
  Mid-Layer 2 w0.15: v1(73.355,38.887) 79.112,38.887 84.451,44.226 89.252,44.226 90.97,42.508 93.01,42.508 93.368,42.15 95.897,42.15 v1(97.384,43.637)
  other v3: 101.144,45.161
nRF52_P1.15: U3.A14 U19.7 | length 25.5
  Top Layer w0.15: v5(85.725,35.408) 86.109,35.791 U19.7@86.525,35.791 ; v2(87.452,34.468) 87.623,34.297 90.714,34.297 91.021,34.604 91.021,35.052 91.651,35.682 95.711,35.682 96.345,36.315 96.345,43.851 97.214,44.72 99.794,44.72 99.985,44.911 U3.A14@100.644,44.911
  Mid-Layer 1 w0.15: v5(85.725,35.408) 86.692,35.408 87.414,34.685 87.414,34.506 v2(87.452,34.468)